# Altium PCB PCB1.PcbDoc (part 3 of 3)
Units mm, origin at the board's own origin, x right, y up, seen from the top; angles counter-clockwise.
Board outline 80 x 100 mm, 4 copper layers (Top Layer, Layer 1, Layer 2, Bottom Layer), stack 1.683 mm thick; 223 components, 229 nets, 969 pads, 380 vias.
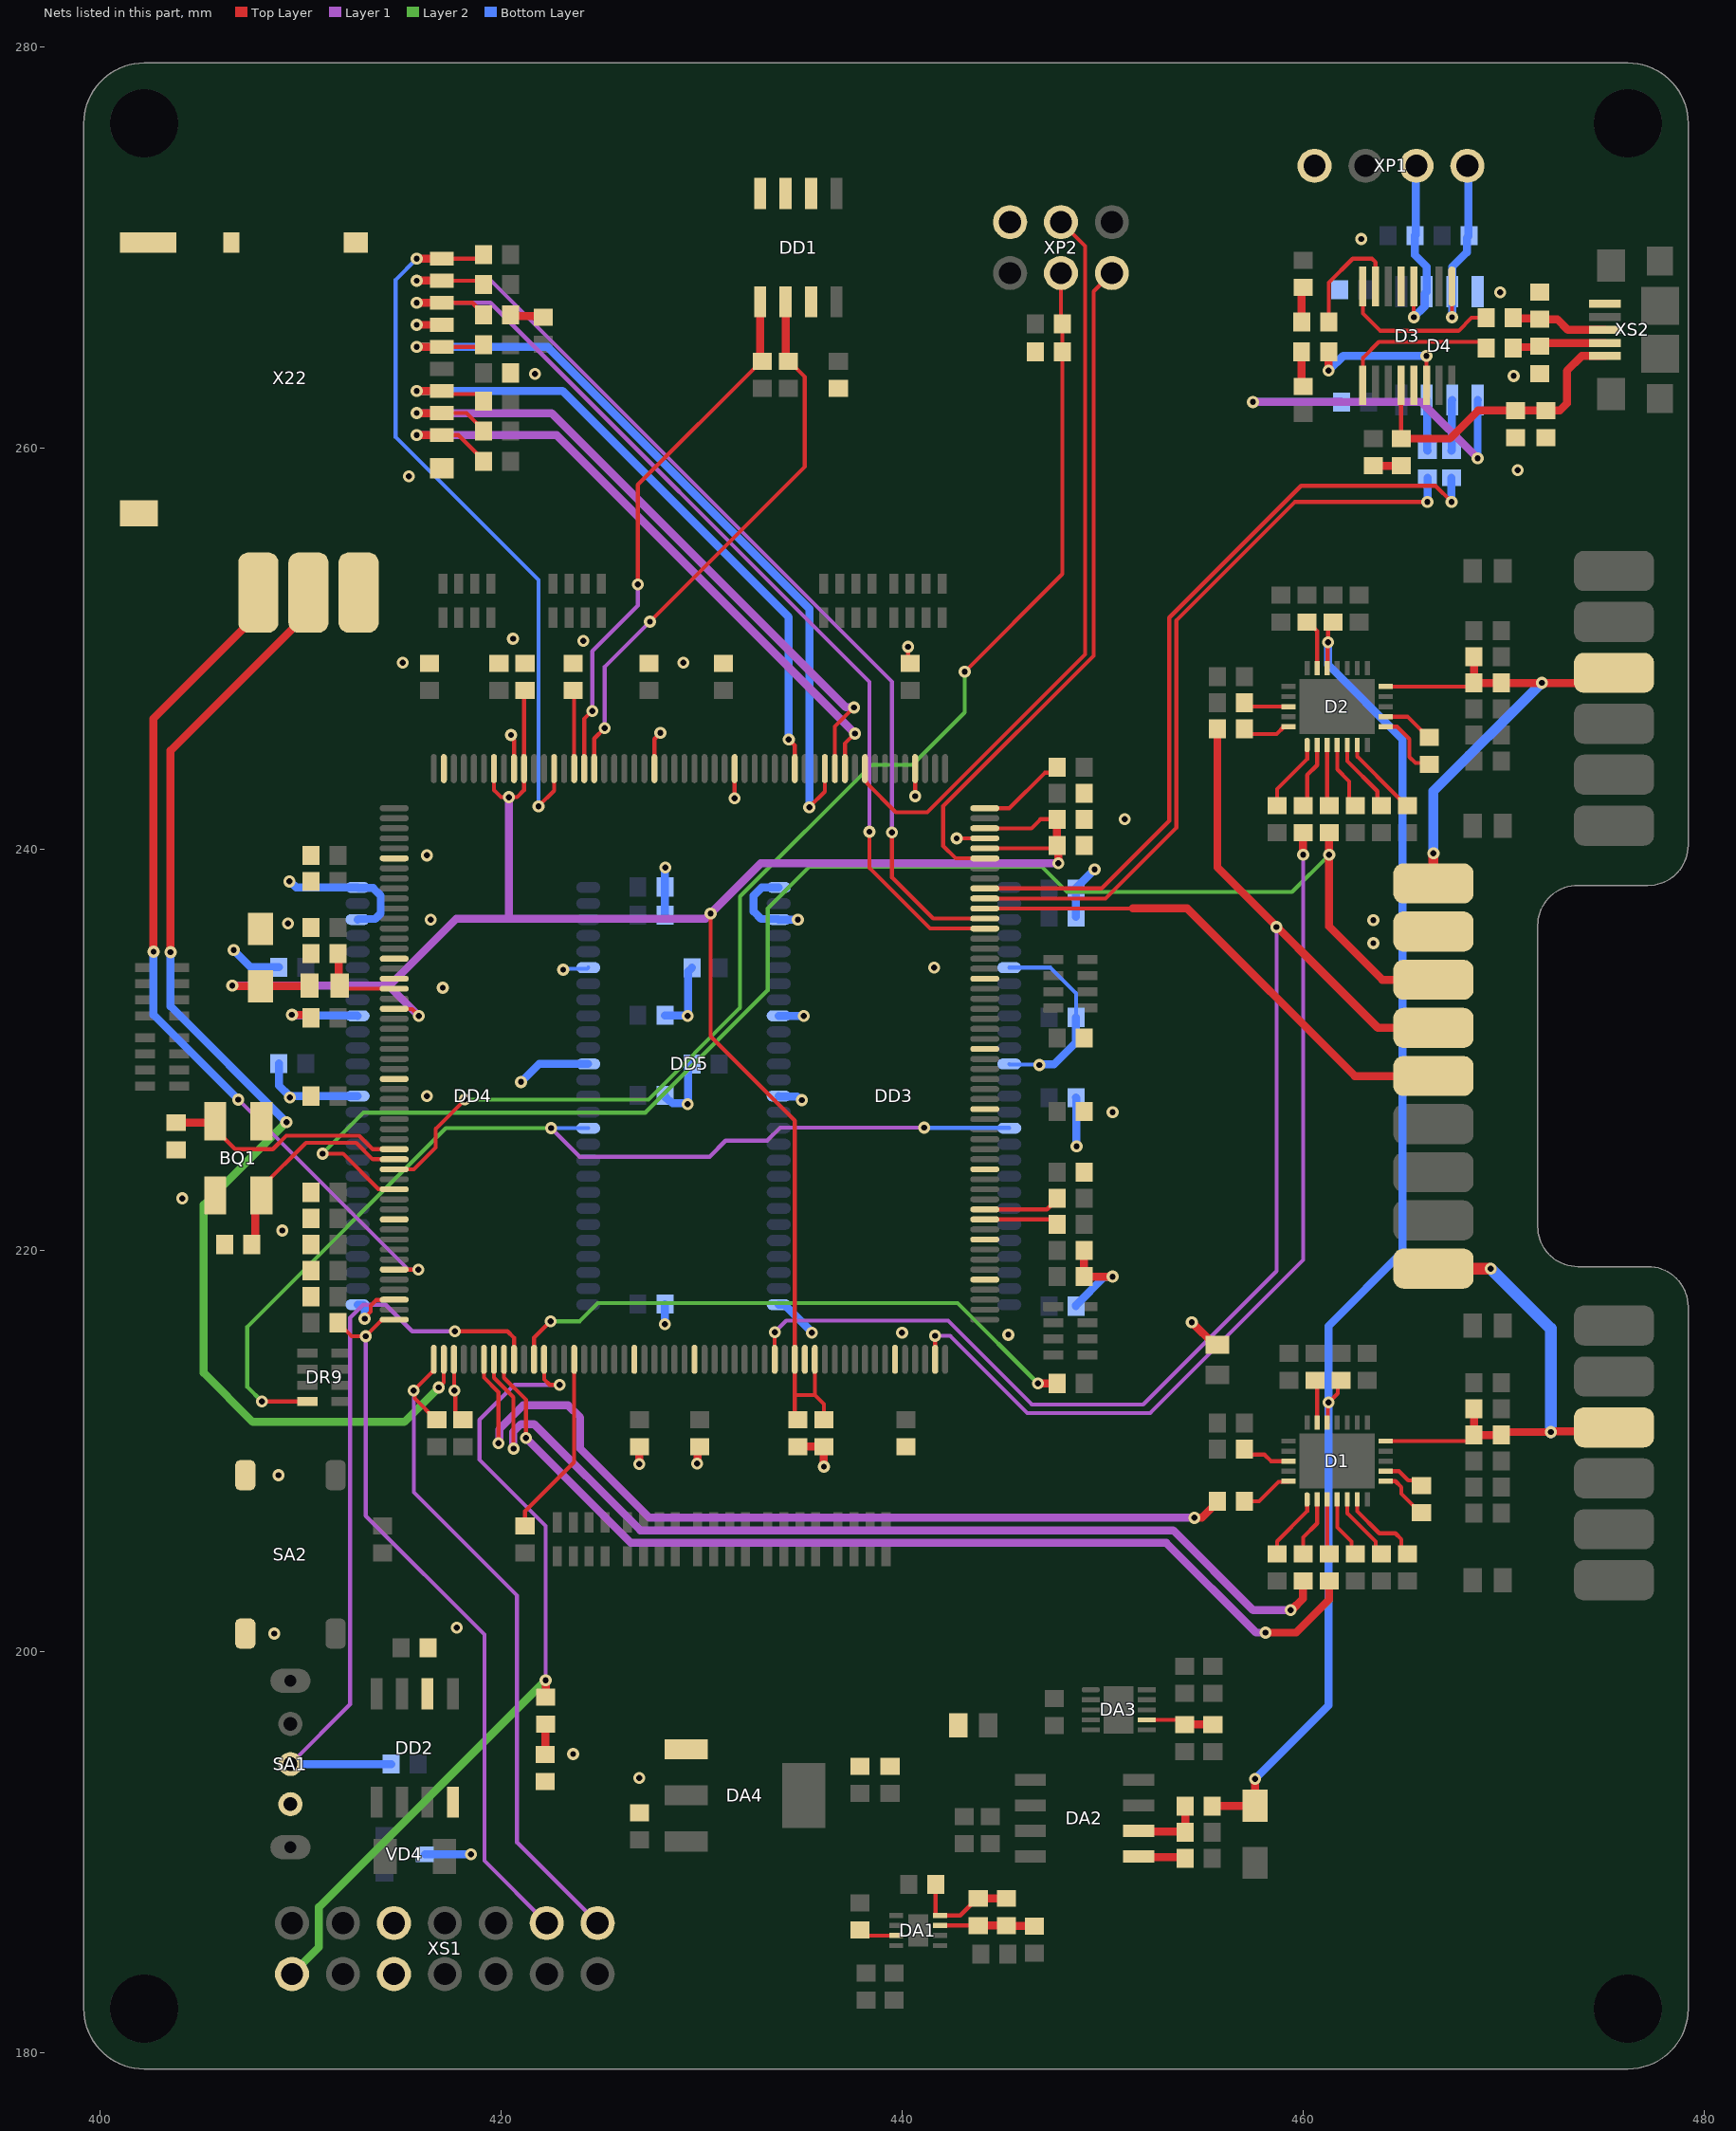
[diagram p5: the nets of this part, all layers, seen from the top]

## Via types
v1: diameter 0.6, hole 0.3, Top Layer to Bottom Layer, tented both sides, 380 vias

## Nets (pads, with @x,y where several pads share a name; then routed paths per layer and width w, separated by ;. In a path a pad name is that pad's centre, name@x,y a point inside that pad or via, vN(x,y) a via of type N, cw(c..) or ccw(c..) an arc to the next point about the centre after c; other vN are vias at no path point) (continued)
FMC_SDNWE: DD3.16 DD4.16 DR9.1 | length 51.5
  Top Layer w0.2: v1(408.075,212.475) DR9.1@410.35,212.475
  Layer 1 w0.2: v1(422.5,226.1) 423.925,224.675 430.4,224.675 431.2,225.475 433.275,225.475 433.925,226.125 v1(441.1,226.125)
  Layer 2 w0.2: v1(408.075,212.475) 407.35,213.2 407.35,216.2 417.25,226.1 v1(422.5,226.1)
  Bottom Layer w0.2: v1(422.5,226.1) DD4.16@424.35,226.1 ; v1(441.1,226.125) 441.112,226.113 445.337,226.113 DD3.16@445.35,226.1
GND: BQ1.2 BQ1.4 C21.2 C27.2 C31.2 C33.2 C35.2 C40.2 C42.2 C44.2 C45.2 C46.2 C47.2 C48.2 C49.2 C50.2 C51.2 C52.2 C53.2 C54.2 C55.2 C56.2 C57.2 C58.2 C59.2 C60.2 C61.2 C62.1 C63.2 C64.1 C65.2 C66.2 C67.1 C68.2 C69.2 C70.1 C71.2 C72.1 C73.2 C74.1 C75.2 C76.2 C77.2 C78.1 C79.2 C80.2 C81.1 C82.2 C83.2 C84.1 C85.2 C86.1 C87.2 C88.2 C89.1 C90.2 C91.2 C92.1 D4.5 DA4.1 DD1.2 DD1.3 DD1.4 DD1.7 DD2.2 DD2.8 DD3.6 DD3.12 DD3.28 DD3.41 DD3.46 DD3.52 DD3.54 DD4.6 DD4.12 DD4.28 DD4.41 DD4.46 DD4.52 DD4.54 DD5.6 DD5.16 DD5.18 DD5.28 DD5.42 DD5.50 DD5.55 DD5.73 DD5.79 DD5.90 DD5.99 DD5.109 DD5.113 DD5.120 DD5.126 DD5.132 DD5.139 DD5.153 DD5.160 DD5.178 DD5.186 DD5.200 DD5.207 L1.2 L2.2 R74.1 SA1.3 SA2.2 VD4.3 VD5.2 X13.1 X22.6 X22.10 X22.11 X25.1 XP2.5 XS1.9 XS1.10 | length 108.6
  Top Layer w0.2: v1(413.2,216.6) 413.2,216.649 413.5,216.949 413.5,217.25 413.781,217.531 414.656,217.531 DD5.50@414.675,217.55 DD5.50@414.694,217.569 ; DD5.55@417.65,214.575 417.662,214.563 417.662,213.037 417.725,212.975 417.725,211.9 418.05,211.575 C83.2@418.1,211.575 ; v1(420.5,245.7) 420.5,245.592 420.65,245.442 DD5.200@420.65,244.025 ; DD5.186@427.65,244.025 427.65,245.5 v1(427.95,245.8) ; v1(431.65,242.55) DD5.178@431.65,244.025 ; v1(440.3,250.1) 440.3,249.387 C74.1@440.412,249.275 ; v1(440.65,242.65) DD5.160@440.65,244.025 ; v1(442.725,240.55) DD5.153@444.125,240.55
  Top Layer w0.4: v1(409.575,231.75) 410.163,231.75 cw(c410.163,231.238) C65.2@410.525,231.6 ; v1(415.8,266.15) X22.6@417.05,266.15 ; v1(426.9,209.35) C80.2@426.9,210.225 ; v1(429.774,209.376) 429.812,209.415 429.812,210.127 C81.1@429.91,210.225 ; C76.2@434.8,210.225 C87.2@436.1,210.225 v1(436.1,209.225) ; C62.1@449.075,220 C77.2@449.075,218.7 v1(450.5,218.7) ; v1(454.45,216.425) 454.455,216.425 455.58,215.3 L2.2@455.725,215.3
  Layer 1 w0.4: v1(457.5,262.3) 465.9,262.3 v1(468.7,259.5)
  Bottom Layer w0.2: v1(423.1,234) 423.15,234.05 424.3,234.05 DD4.6@424.35,234.1 ; DD3.12@445.35,229.3 445.375,229.275 446.825,229.275 v1(446.85,229.25) ; DD3.6@445.35,234.1 447.4,234.1 448.675,232.825 C49.2@448.675,231.625
  Bottom Layer w0.4: v1(406.675,234.975) 407.525,234.125 C58.2@408.925,234.125 ; C57.2@408.925,229.325 408.925,228.229 409.475,227.679 v1(409.475,227.625) 409.529,227.625 409.604,227.7 DD4.41@412.85,227.7 ; v1(409.45,238.4) 409.484,238.4 409.784,238.1 DD4.54@412.85,238.1 412.879,238.071 413.629,238.071 414,237.7 414,236.8 413.729,236.529 412.879,236.529 DD4.52@412.85,236.5 ; v1(409.575,231.75) 409.6,231.725 412.825,231.725 DD4.46@412.85,231.7 ; DD4.28@412.85,217.3 413.131,217.3 413.2,217.231 v1(413.2,216.6) ; VD4.3@416.2,189.9 v1(418.5,189.9) ; v1(421,228.4) 421.9,229.3 DD4.12@424.35,229.3 ; v1(428.175,216.325) C54.2@428.175,217.325 ; C53.2@428.175,227.725 428.175,227.675 428.4,227.45 428.45,227.45 428.562,227.338 429.262,227.338 v1(429.3,227.3) 429.338,227.338 429.338,229.113 C50.2@429.525,229.3 ; C56.2@428.175,231.725 428.188,231.712 429.288,231.712 v1(429.3,231.7) 429.338,231.738 429.338,233.913 C51.2@429.525,234.1 ; C55.2@428.175,236.725 C52.2@428.175,238.125 428.175,239.075 v1(428.2,239.1) ; DD3.28@433.85,217.3 434.138,217.3 435.5,215.938 v1(435.5,215.9) ; DD3.41@433.85,227.7 433.879,227.671 434.775,227.671 434.946,227.5 v1(435,227.5) ; DD3.46@433.85,231.7 v1(435.1,231.7) ; DD3.54@433.85,238.1 433,238.1 432.6,237.7 432.6,236.9 432.971,236.529 433.821,236.529 DD3.52@433.85,236.5 v1(434.8,236.5) ; v1(446.85,229.25) 446.888,229.288 447.588,229.288 448.675,230.375 C49.2@448.675,231.625 ; C47.2@448.675,217.225 448.675,217.275 450.1,218.7 v1(450.5,218.7) ; C46.2@448.675,227.625 448.687,227.613 448.687,225.212 v1(448.7,225.2) ; C48.2@448.675,236.625 C45.2@448.675,238.025 448.675,238.075 v1(449.6,239) ; v1(457.5,262.3) C44.2@461.925,262.3 ; v1(468.7,259.5) 468.702,259.502 468.702,262.397 D4.5@468.705,262.4
  other v1: 426.9,193.7 423.6,194.9 408.7,200.9 417.8,201.2 408.9,208.8 417.675,213.025 445.3,215.8 440,215.9 409.1,221 404.1,222.6 450.5,226.9 416.3,227.7 417.1,233.1 441.6,234.1 463.5,235.325 409.375,236.3 463.5,236.475 416.5,236.5 416.3,239.7 451.1,241.5 415.1,249.3 429.1,249.3 424.1,250.4 420.6,250.5 415.4,258.6 421.7,263.7
GND_EXT: C34.2 C36.2 C37.2 C38.2 C39.2 C41.2 C43.2 D3.5 D3.13 D4.4 XP1.4 XS2.5 | length 1.4
  Top Layer w0.4: C36.2@463.5,259.125 C34.2@464.9,259.125
  other v1: 470.7,258.9 470.5,263.6 469.825,267.775 462.9,270.425
I2C1_SCL: DD1.6 DD5.192 R65.1 | length 28
  Top Layer w0.2: DD5.192@424.65,244.025 424.65,245.525 v1(425.175,246.05) ; v1(427.425,251.35) 435.15,259.075 435.15,263.55 434.375,264.325 R65.1@434.325,264.325
  Top Layer w0.4: DD1.6@434.193,267.3 434.193,264.457 R65.1@434.325,264.325
  Layer 1 w0.2: v1(425.175,246.05) 425.175,249.1 v1(427.425,251.35)
I2C1_SDA: DD1.5 DD5.193 R66.1 | length 27
  Top Layer w0.2: DD5.193@424.15,244.025 424.15,246.5 v1(424.55,246.9) ; v1(426.825,253.2) 426.825,258.175 432.975,264.325 R66.1@433.025,264.325
  Top Layer w0.4: DD1.5@432.923,267.3 432.923,264.427 R66.1@433.025,264.325
  Layer 1 w0.2: v1(424.55,246.9) 424.55,249.875 426.825,252.15 v1(426.825,253.2)
I2C2_SCL: DD5.52 R71.1 XS1.3 | length 36.4
  Top Layer w0.2: R71.1@411.875,216.4 411.875,216.35 412.2,216.025 412.25,216.025 412.55,215.725 v1(413.25,215.725) 414.075,216.55 DD5.52@414.675,216.55
  Layer 1 w0.2: v1(413.25,215.725) 413.25,206.775 419.175,200.85 419.175,189.575 XS1.3@422.28,186.47
I2C2_SDA: DD5.53 R70.1 XS1.1 | length 34.3
  Top Layer w0.2: DD5.53@416.65,214.575 416.65,214.025 v1(415.65,213.025) 415.699,212.976 415.699,212.626 416.75,211.575 R70.1@416.8,211.575
  Layer 1 w0.2: v1(415.65,213.025) 415.65,207.95 420.8,202.8 420.8,190.49 XS1.1@424.82,186.47
IF1: C13.1 D1.12 R23.1 R23.2 X2.1 X20.1 | length 25.2
  Top Layer w0.2: D1.12@464.124,210.5 468.225,210.5 R23.2@468.525,210.8
  Top Layer w0.4: C13.1@468.525,212.1 R23.2@468.525,210.8 R23.1@469.875,210.8 470.025,210.95 v1(472.35,210.95) 472.388,210.988 475.308,210.988 X2.1@475.5,211.18
  Top Layer w0.6: X20.1@466.5,219.1 v1(469.35,219.1)
  Bottom Layer w0.6: v1(469.35,219.1) 472.35,216.1 v1(472.35,210.95)
IF2: C14.1 D2.12 R25.1 R25.2 X8.1 X21.1 | length 25.2
  Top Layer w0.2: D2.12@464.124,248.116 468.341,248.116 R25.2@468.525,248.3
  Top Layer w0.4: C14.1@468.525,249.6 R25.2@468.525,248.3 R25.1@469.875,248.3 475,248.3 X8.1@475.5,248.8
  Top Layer w0.5: X21.1@466.5,238.3 v1(466.5,239.8)
  Bottom Layer w0.5: v1(466.5,239.8) 466.5,242.9 v1(471.9,248.3)
LED: DD5.64 R51.2 XS1.14 | length 41.7
  Top Layer w0.2: DD5.64@422.15,214.575 422.15,213.575 422.425,213.3 v1(422.925,213.3)
  Top Layer w0.4: v1(422.225,198.575) 422.229,198.571 R51.2@422.229,197.729
  Layer 1 w0.2: v1(422.225,198.575) 422.225,206.275 418.925,209.575 418.925,211.55 420.675,213.3 v1(422.925,213.3)
  Layer 2 w0.4: XS1.14@409.58,183.93 410.92,185.27 410.92,187.27 v1(422.225,198.575)
MCO_1_REF: DD5.146 X16.1 | length 25.8
  Top Layer w0.2: DD5.146@444.125,237.05 451.5,237.05
  Top Layer w0.4: 451.5,237.05 454.225,237.05 462.575,228.7 X16.1@466.5,228.7
NetC5_1: C5.1 D1.8 | length 2.6
  Top Layer w0.2: D1.8@464.124,208.5 464.6,208.5 464.9,208.2 464.9,207.875 465.85,206.925 C5.1@465.9,206.925
NetC5_2: C5.2 D1.9 | length 2.1
  Top Layer w0.2: D1.9@464.124,209 464.778,209 465.242,208.536 465.639,208.536 C5.2@465.9,208.275
NetC6_1: C6.1 D2.8 | length 3.5
  Top Layer w0.2: D2.8@464.124,246.116 464.684,246.116 465.3,245.5 465.3,244.6 465.6,244.3 466.225,244.3 C6.1@466.3,244.225
NetC6_2: C6.2 D2.9 | length 2.6
  Top Layer w0.2: D2.9@464.124,246.616 465.209,246.616 466.25,245.575 C6.2@466.3,245.575
NetC9_1: C9.1 D1.22 | length 2.4
  Top Layer w0.2: C9.1@457.075,210.1 457.347,209.828 458.072,209.828 458.4,209.5 D1.22@459.276,209.5
NetC10_1: C10.1 D2.22 | length 2.3
  Top Layer w0.2: C10.1@457.075,247.3 457.259,247.116 D2.22@459.276,247.116
NetC17_1: C17.1 DA1.7 | length 1.9
  Top Layer w0.2: C17.1@437.9,186.125 438.175,185.85 DA1.7@439.71,185.85
NetC22_1: C22.1 DA2.5 | length 2.4
  Top Layer w0.4: DA2.5@451.8,189.795 451.848,189.747 454.078,189.747 C22.1@454.125,189.7
NetC23_1: C23.1 DA1.4 R27.1 R28.1 | length 5.4
  Top Layer w0.2: R28.1@441.675,188.4 441.675,186.875 441.7,186.85 DA1.4@441.89,186.85 442.9,186.85 443.75,187.7 C23.1@443.8,187.7
  Top Layer w0.4: C23.1@443.8,187.7 R27.1@445.2,187.7
NetC23_2: C23.2 C26.1 DA1.3 R27.2 | length 4.7
  Top Layer w0.2: DA1.3@441.89,186.35 C23.2@443.8,186.35
  Top Layer w0.4: C23.2@443.8,186.35 R27.2@445.2,186.35 445.212,186.337 446.587,186.337 C26.1@446.6,186.325
NetC24_1: C24.1 DA2.6 R29.1 | length 3.7
  Top Layer w0.4: DA2.6@451.8,191.065 451.833,191.032 454.093,191.032 C24.1@454.125,191 R29.1@454.125,192.3
NetC25_1: C25.1 DA3.7 R30.2 | length 3.4
  Top Layer w0.2: DA3.7@452.195,196.6 453.875,196.6 C25.1@454.1,196.375
  Top Layer w0.4: C25.1@454.1,196.375 R30.2@455.5,196.375
NetC75_1: C75.1 DD5.19 L7.1 | length 4.4
  Top Layer w0.2: L7.1@411.95,233.2 412.1,233.05 DD5.19@414.675,233.05
  Top Layer w0.4: C75.1@411.875,234.8 411.913,234.763 411.913,233.238 L7.1@411.95,233.2
NetD1_1: D1.1 R1.2 | length 3.3
  Top Layer w0.2: R1.2@458.7,204.875 458.7,205.5 460.2,207 D1.1@460.2,207.584
NetD1_2: D1.2 R11.2 | length 3
  Top Layer w0.2: R11.2@460,204.875 460,205.7 460.7,206.4 D1.2@460.7,207.584
NetD1_3: D1.3 R2.2 | length 2.8
  Top Layer w0.2: D1.3@461.2,207.584 461.2,204.975 R2.2@461.3,204.875
NetD1_4: D1.4 R12.2 | length 3.1
  Top Layer w0.2: D1.4@461.7,207.584 461.7,206.2 462.417,205.483 462.417,205.058 R12.2@462.6,204.875
NetD1_5: D1.5 R5.2 | length 3.4
  Top Layer w0.2: D1.5@462.2,207.584 462.2,206.9 463.617,205.483 463.617,205.158 R5.2@463.9,204.875
NetD1_6: D1.6 R14.2 | length 4.2
  Top Layer w0.2: D1.6@462.7,207.584 462.7,207 463.8,205.9 464.6,205.9 464.9,205.6 464.9,205.175 R14.2@465.2,204.875
NetD1_18: D1.18 R13.2 | length 2.2
  Top Layer w0.2: R13.2@460.6,213.525 460.7,213.425 D1.18@460.7,211.416
NetD1_24: D1.24 R3.2 | length 2.6
  Top Layer w0.2: R3.2@457.075,207.5 457.8,207.5 458.773,208.473 459.248,208.473 D1.24@459.276,208.5
NetD2_1: D2.1 R6.2 | length 3.6
  Top Layer w0.2: R6.2@458.7,242.175 458.7,243 460.2,244.5 D2.1@460.2,245.2
NetD2_2: D2.2 R15.2 | length 3.3
  Top Layer w0.2: R15.2@460,242.175 460.2,242.375 460.2,243.7 460.7,244.2 D2.2@460.7,245.2
NetD2_3: D2.3 R7.2 | length 3.1
  Top Layer w0.2: D2.3@461.2,245.2 461.2,242.275 R7.2@461.3,242.175
NetD2_4: D2.4 R16.2 | length 3.4
  Top Layer w0.2: D2.4@461.7,245.2 461.7,243.985 462.3,243.385 462.3,242.475 R16.2@462.6,242.175
NetD2_5: D2.5 R10.2 | length 3.7
  Top Layer w0.2: D2.5@462.2,245.2 462.2,244.4 463.7,242.9 463.7,242.375 R10.2@463.9,242.175
NetD2_6: D2.6 R18.2 | length 4.1
  Top Layer w0.2: D2.6@462.7,245.2 462.7,244.629 464.625,242.704 464.625,242.7 465.15,242.175 R18.2@465.2,242.175
NetD2_18: D2.18 R17.2 | length 2.5
  Top Layer w0.2: R17.2@460.2,251.325 460.25,251.325 460.7,250.875 D2.18@460.7,249.032
NetD2_24: D2.24 R8.2 | length 2.5
  Top Layer w0.2: R8.2@457.075,246 457.325,245.75 458.683,245.75 459.049,246.116 D2.24@459.276,246.116
NetD3_8: D3.8 R38.2 | length 8.1
  Top Layer w0.2: D3.8@462.977,268.064 462.977,266.723 463.85,265.85 467.75,265.85 468.4,266.5 R38.2@469.125,266.5
NetD3_9: D3.9 R34.2 | length 8
  Top Layer w0.2: D3.9@462.977,263.136 462.977,264.502 463.775,265.3 468.825,265.3 R34.2@469.125,265
NetD4_6: D4.6 R49.1 | length 2.5
  Bottom Layer w0.4: R49.1@467.4,259.875 467.418,259.892 467.418,262.382 D4.6@467.435,262.4
NetD4_7: D4.7 R46.1 | length 2.5
  Bottom Layer w0.4: D4.7@466.165,262.4 466.182,262.382 466.182,259.892 R46.1@466.2,259.875
NetDD5_63: DD5.63 R67.2 | length 29.5
  Top Layer w0.2: DD5.63@421.65,214.575 421.65,215.65 v1(422.475,216.475)
  Top Layer w0.4: v1(446.775,213.375) v1(446.775,213.375) 447.724,213.376 R67.2@447.725,213.375
  Layer 2 w0.2: v1(422.475,216.475) 423.925,216.475 424.825,217.375 442.775,217.375 v1(446.775,213.375)
NetDD5_67: DD5.67 R72.2 | length 9.3
  Top Layer w0.2: R72.2@421.2,206.275 421.2,207 423.65,209.45 DD5.67@423.65,214.575
NetDD5_115: DD5.115 R68.2 | length 3.7
  Top Layer w0.2: DD5.115@444.125,221.55 447.475,221.55 R68.2@447.725,221.3
NetDD5_116: DD5.116 R69.2 | length 3.9
  Top Layer w0.2: DD5.116@444.125,222.05 447.225,222.05 447.725,222.55 R69.2@447.725,222.6
NetDD5_156: DD5.156 R73.2 | length 4.4
  Top Layer w0.2: DD5.156@444.125,242.05 445.35,242.05 447.117,243.817 447.442,243.817 R73.2@447.725,244.1
NetDD5_194: DD5.194 R74.2 | length 3.9
  Top Layer w0.2: R74.2@423.6,247.925 423.65,247.875 DD5.194@423.65,244.025
NetR32_2: R32.2 VD1.1 | length 1.7
  Top Layer w0.4: VD1.1@459.925,266.3 459.925,267.844 cw(c460.181,267.844) R32.2@460,268.025
NetR33_2: R33.2 VD2.1 | length 1.8
  Top Layer w0.4: VD2.1@459.917,264.804 VD2.1@459.921,264.808 459.921,263.266 ccw(c460.191,263.266) R33.2@460,263.075
NetR36_1: R36.1 VD3.1 | length 1.7
  Top Layer w0.4: VD3.1@420.475,266.65 420.537,266.588 422.037,266.588 R36.1@422.1,266.525
NetR51_1: R51.1 VD5.1 | length 1.5
  Top Layer w0.4: VD5.1@422.2,194.875 422.214,194.89 422.214,196.364 R51.1@422.229,196.379
NRST: C42.1 DD5.37 R45.2 XP2.4 | length 65.6
  Top Layer w0.2: DD5.37@414.675,224.05 415.65,224.05 416.738,225.138 416.738,226.063 v1(418.202,227.527) ; v1(443.125,248.85) 448,253.725 C42.1@448,264.8 R45.2@448,266.2 447.925,266.275 XP2.4@447.925,268.73
  Layer 2 w0.2: v1(418.202,227.527) 427.352,227.527 431.925,232.1 431.925,237.65 438.487,244.213 440.513,244.213 443.125,246.825 v1(443.125,248.85)
RCC_OSC_IN: BQ1.1 C59.1 DD5.35 | length 11.9
  Top Layer w0.2: BQ1.1@405.75,226.05 406.75,225.05 408.625,225.05 409.3,225.725 412.925,225.725 413.6,225.05 DD5.35@414.675,225.05
  Top Layer w0.4: C59.1@403.8,226.375 405.675,226.375 BQ1.1@405.75,226.45
RCC_OSC_OUT: BQ1.3 C60.1 DD5.36 | length 10.9
  Top Layer w0.2: BQ1.3@408.05,222.75 408.05,223.15 410.275,225.375 412.78,225.375 413.605,224.55 DD5.36@414.675,224.55
  Top Layer w0.4: C60.1@407.575,220.3 407.754,220.479 407.754,222.454 BQ1.3@408.05,222.75
RX_LED: D3.7 VD1.2 | length 6.1
  Top Layer w0.2: VD1.2@461.275,266.3 461.275,268.25 462.475,269.45 463.425,269.45 463.612,269.262 D3.7@463.612,268.064
SDIO_CD: DD5.196 R42.1 X22.9 | length 36.3
  Top Layer w0.2: X22.9@417.05,269.45 418.925,269.45 R42.1@419.125,269.65 ; v1(421.875,242.15) 422.65,242.925 DD5.196@422.65,244.025
  Top Layer w0.4: v1(415.8,269.45) X22.9@417.05,269.45
  Bottom Layer w0.2: v1(415.8,269.45) 414.75,268.4 414.75,260.55 421.875,253.425 v1(421.875,242.15)
SDIO_CK: DD5.169 R40.1 X22.5 | length 40.5
  Top Layer w0.2: X22.5@417.05,265.05 419.025,265.05 R40.1@419.125,265.15 ; v1(435.375,242.1) 436.15,242.875 DD5.169@436.15,244.025
  Top Layer w0.4: v1(415.8,265.05) X22.5@417.05,265.05
  Bottom Layer w0.4: v1(415.8,265.05) 422.325,265.05 435.375,252 v1(435.375,242.1)
SDIO_CMD: DD5.172 R39.1 X22.3 | length 34.4
  Top Layer w0.2: X22.3@417.05,262.85 417.2,262.7 418.8,262.7 419.125,262.375 R39.1@419.125,262.35 ; v1(434.35,245.475) 434.65,245.175 DD5.172@434.65,244.025
  Top Layer w0.4: v1(415.8,262.85) X22.3@417.05,262.85
  Bottom Layer w0.4: v1(415.8,262.85) 423.075,262.85 434.35,251.575 v1(434.35,245.475)
SDIO_D0: DD5.144 VD3.2 X22.7 | length 50.3
  Top Layer w0.2: X22.7@417.05,267.25 418.575,267.25 419.125,266.7 VD3.2@419.125,266.65 ; v1(438.375,240.875) 438.375,239.075 441.4,236.05 DD5.144@444.125,236.05
  Top Layer w0.4: v1(415.8,267.25) X22.7@417.05,267.25
  Layer 1 w0.2: v1(415.8,267.25) 419.475,267.25 438.375,248.35 v1(438.375,240.875)
SDIO_D1: DD5.145 R41.1 X22.8 | length 50.6
  Top Layer w0.2: X22.8@417.05,268.35 418.925,268.35 R41.1@419.125,268.15 ; v1(439.5,240.85) 439.5,238.6 441.55,236.55 DD5.145@444.125,236.55
  Top Layer w0.4: v1(415.8,268.35) X22.8@417.05,268.35
  Layer 1 w0.2: v1(415.8,268.35) 419.5,268.35 439.5,248.35 v1(439.5,240.85)
SDIO_D2: DD5.167 R35.1 X22.1 | length 33.9
  Top Layer w0.2: X22.1@417.05,260.65 417.875,260.65 419.125,259.4 R35.1@419.125,259.35 ; DD5.167@437.15,244.025 437.15,245.275 v1(437.65,245.775)
  Top Layer w0.4: v1(415.8,260.65) X22.1@417.05,260.65
  Layer 1 w0.4: v1(415.8,260.65) 422.775,260.65 v1(437.65,245.775)
SDIO_D3: DD5.168 R37.1 X22.2 | length 35
  Top Layer w0.2: X22.2@417.05,261.75 418.275,261.75 419.125,260.9 R37.1@419.125,260.85 ; DD5.168@436.65,244.025 436.65,246.125 v1(437.6,247.075)
  Top Layer w0.4: v1(415.8,261.75) X22.2@417.05,261.75
  Layer 1 w0.4: v1(415.8,261.75) 422.525,261.75 437.2,247.075 v1(437.6,247.075)
SPI1_MISO: DD5.59 R11.1 | length 50.2
  Top Layer w0.2: DD5.59@419.65,214.575 419.65,213.66 420.625,212.685 v1(420.625,210.125)
  Top Layer w0.4: v1(459.375,202.075) 459.425,202.075 460,202.65 R11.1@460,203.525
  Layer 1 w0.4: v1(420.625,210.125) 420.6,210.15 420.6,210.95 421,211.35 421.65,211.35 426.95,206.05 453.525,206.05 457.5,202.075 v1(459.375,202.075)
SPI1_MOSI: DD5.60 R2.1 | length 50.1
  Top Layer w0.2: DD5.60@420.15,214.575 420.15,213.655 421.25,212.555 v1(421.25,210.65)
  Top Layer w0.4: v1(458.125,200.95) 459.65,200.95 461.3,202.6 R2.1@461.3,203.525
  Layer 1 w0.4: v1(421.25,210.65) 426.475,205.425 453.175,205.425 457.65,200.95 v1(458.125,200.95)
SPI1_SCK: DD5.58 R3.1 | length 45.1
  Top Layer w0.2: DD5.58@419.15,214.575 419.15,213.665 419.875,212.94 v1(419.875,210.4)
  Top Layer w0.4: v1(454.575,206.675) 454.95,206.675 455.725,207.45 R3.1@455.725,207.5
  Layer 1 w0.4: v1(419.875,210.4) 419.913,210.438 419.913,211.088 421.1,212.275 423.35,212.275 423.95,211.675 423.95,210.125 427.4,206.675 v1(454.575,206.675)
SPI2_MISO: DD5.103 R15.1 | length 45.6
  Top Layer w0.2: DD5.103@441.65,214.575 v1(441.65,215.75)
  Top Layer w0.4: v1(460,239.725) R15.1@460,240.825
  Layer 1 w0.2: v1(441.65,215.75) 442.4,215.75 446.25,211.9 452.375,211.9 460,219.525 v1(460,239.725)
SPI2_MOSI: DD5.39 R7.1 X15.1 | length 75.1
  Top Layer w0.2: v1(411.1,224.825) 412.125,224.825 413.882,223.068 414.657,223.068 DD5.39@414.675,223.05
  Top Layer w0.4: R7.1@461.3,240.825 v1(461.3,239.725) 461.3,236.15 463.95,233.5 X15.1@466.5,233.5
  Layer 2 w0.2: v1(411.1,224.825) 413.15,226.875 427.2,226.875 433.3,232.975 433.3,237.05 435.375,239.125 446.975,239.125 448.225,237.875 459.45,237.875 v1(461.3,239.725)
SPI2_SCK: DD5.87 R8.1 X14.1 | length 69.2
  Top Layer w0.2: DD5.87@433.65,214.575 v1(433.65,215.925)
  Top Layer w0.4: R8.1@455.725,246 455.725,239.1 463.725,231.1 X14.1@466.5,231.1
  Layer 1 w0.2: v1(433.65,215.925) 434.225,216.5 442.3,216.5 446.475,212.325 452.025,212.325 458.675,218.975 v1(458.675,236.125)
SWCLK: DD5.165 XP2.3 | length 37.6
  Top Layer w0.2: DD5.165@438.15,244.025 438.15,243.423 438.25,243.323 438.25,243.284 439.684,241.85 441.255,241.85 449.125,249.72 449.125,270.07 XP2.3@447.925,271.27
SWDIO: DD5.151 XP2.2 | length 34.4
  Top Layer w0.2: DD5.151@444.125,239.55 442.675,239.55 442.05,240.175 442.05,242.15 449.55,249.65 449.55,267.815 XP2.2@450.465,268.73
TX_LED: D3.14 VD2.2 | length 7.6
  Top Layer w0.2: v1(466.15,264.6) 466.152,264.597 D3.14@466.152,263.136
  Top Layer w0.4: VD2.2@461.271,264.808 461.271,263.879 v1(461.275,263.875)
  Bottom Layer w0.4: v1(461.275,263.875) 462,264.6 v1(466.15,264.6)
U1_RX_ISO: D3.1 D4.3 R43.1 XP1.1 | length 9.4
  Top Layer w0.2: D3.1@467.422,268.064 467.422,266.528 v1(467.425,266.525)
  Bottom Layer w0.4: v1(467.425,266.525) 467.43,266.53 467.43,267.795 D4.3@467.435,267.8 467.435,269.035 468.163,269.763 468.163,270.488 468.233,270.557 468.233,274.032 XP1.1@468.19,274.075
U1_TX_ISO: D3.4 D4.2 R44.1 XP1.2 | length 9.6
  Top Layer w0.2: D3.4@465.517,268.064 465.517,266.528 v1(465.52,266.525)
  Bottom Layer w0.4: v1(465.52,266.525) 466.065,267.07 466.065,267.7 D4.2@466.165,267.8 466.165,269.035 465.575,269.625 R44.1@465.575,270.6 465.613,270.637 465.613,274.037 XP1.2@465.65,274.075
USART1_RX: DD5.148 R49.2 | length 39.1
  Top Layer w0.2: DD5.148@444.125,238.05 449.95,238.05 453.325,241.425 453.325,251.55 459.9,258.125 466.6,258.125 v1(467.4,257.325)
  Bottom Layer w0.4: v1(467.4,257.325) R49.2@467.4,258.525
USART1_TX: DD5.147 R46.2 | length 37.5
  Top Layer w0.2: DD5.147@444.125,237.55 450.15,237.55 453.675,241.075 453.675,251.405 459.595,257.325 v1(466.2,257.325)
  Bottom Layer w0.4: v1(466.2,257.325) R46.2@466.2,258.525
USART2_RX: DD5.54 X24.1 | length 60.8
  Top Layer w0.2: v1(416.9,213.175) 417.15,213.425 DD5.54@417.15,214.575
  Top Layer w0.4: v1(403.523,234.872) 403.523,244.923 410.4,251.8 X24.1@410.4,252.8
  Layer 2 w0.4: v1(409.3,226.4) 405.175,222.275 405.175,213.9 407.625,211.45 415.175,211.45 v1(416.9,213.175)
  Bottom Layer w0.4: v1(403.523,234.872) 403.523,232.177 v1(409.3,226.4)
USART2_TX: DD5.47 X23.1 | length 42.9
  Top Layer w0.2: DD5.47@414.675,219.05 v1(415.875,219.05)
  Top Layer w0.4: v1(402.675,234.9) 402.675,246.525 407.9,251.75 X23.1@407.9,252.8
  Layer 1 w0.2: v1(406.9,227.525) 415.375,219.05 v1(415.875,219.05)
  Bottom Layer w0.4: v1(402.675,234.9) 402.675,231.75 v1(406.9,227.525)
USBDM: C41.1 R34.1 XS2.2 | length 4.7
  Top Layer w0.4: R34.1@470.475,265 470.512,265.037 471.762,265.037 C41.1@471.8,265.075 471.975,265.25 XS2.2@475.05,265.25
USBDP: C43.1 R38.1 XS2.3 | length 4.8
  Top Layer w0.4: R38.1@470.475,266.5 470.512,266.462 471.762,266.462 C43.1@471.8,266.425 472.675,266.425 473.2,265.9 XS2.3@475.05,265.9
V_SMPS: C68.1 C76.1 C79.1 C82.1 C87.1 C90.1 DD5.21 DD5.89 DD5.91 DD5.152 DD5.154 DD5.199 DD5.202 L7.2 | length 105.8
  Top Layer w0.2: DD5.21@414.675,232.05 414.694,232.031 415.569,232.031 v1(415.9,231.7) ; DD5.202@419.65,244.025 419.65,242.95 420,242.6 v1(420.4,242.6) 420.8,242.6 421.15,242.95 DD5.199@421.15,244.025 421.15,247.875 C82.1@421.2,247.925 ; v1(430.45,236.8) 430.45,230.675 434.65,226.475 DD5.89@434.65,214.575 434.65,212.8 ; C76.1@434.8,211.575 434.65,211.725 434.65,212.8 ; DD5.91@435.65,214.575 435.65,212.8 ; C87.1@436.1,211.575 436.1,212.35 435.65,212.8 ; DD5.152@444.125,240.05 447.575,240.05 C79.1@447.725,240.2 ; DD5.154@444.125,241.05 446.45,241.05 446.9,241.5 C90.1@447.725,241.5 ; 434.65,212.8 435.65,212.8
  Top Layer w0.4: v1(406.6,233.2) 406.625,233.175 C68.1@408,233.175 410.425,233.175 L7.2@410.45,233.2 ; C90.1@447.725,241.5 C79.1@447.725,240.2 447.8,240.125 v1(447.8,239.3)
  Layer 1 w0.4: v1(406.6,233.2) 414.425,233.2 417.775,236.55 420.314,236.55 ; 414.4,233.2 v1(415.9,231.7) ; v1(420.4,242.6) 420.4,236.55 430.2,236.55 v1(430.45,236.8) 432.95,239.3 v1(447.8,239.3)
VCC_5V_USB: C34.1 C38.1 C39.1 D3.12 XS2.1 | length 15.5
  Top Layer w0.2: D3.12@464.882,263.136 464.882,260.493 C34.1@464.9,260.475
  Top Layer w0.4: C34.1@464.9,260.475 467.325,260.475 468.725,261.875 470.3,261.875 471.8,261.875 472.8,261.875 473.15,262.225 473.15,263.85 473.9,264.6 XS2.1@475.05,264.6
VREF_P: C7.1 C8.1 C29.1 D1.17 D2.17 R29.2 | length 69.5
  Top Layer w0.2: D1.17@461.2,211.416 461.227,211.443 461.227,212.377 v1(461.275,212.425) 461.725,212.875 461.725,213.35 C7.1@461.9,213.525 ; D2.17@461.2,249.032 461.225,249.057 461.225,250.3 v1(461.25,250.325) 461.25,251.075 C8.1@461.5,251.325
  Top Layer w0.4: R29.2@455.475,192.3 457.575,192.3 C29.1@457.6,192.325 v1(457.6,193.65)
  Bottom Layer w0.4: v1(457.6,193.65) 461.275,197.325 v1(461.275,212.425) 461.275,216.244 464.95,219.919 464.95,245.5 461.25,249.2 v1(461.25,250.325)
W_MODE: DD5.61 R31.2 SA1.2 | length 38.7
  Top Layer w0.2: v1(417.7,215.975) 420.325,215.975 420.65,215.65 DD5.61@420.65,214.575
  Layer 1 w0.2: SA1.2@409.5,194.4 412.475,197.375 412.475,216.653 413.122,217.3 414.25,217.3 415.575,215.975 v1(417.7,215.975)
  Bottom Layer w0.4: SA1.2@409.5,194.4 R31.2@414.525,194.4
pads on no net: D1.25 D2.25 D3.2 D3.6 D3.15 D3.16 DA1.9 DA2.1 DA2.3 DA2.7 DA2.8 DA3.4 DD1.1 DD3.36 DD3.40 DD4.36 DD4.40 DD5.1 DD5.2 DD5.3 DD5.4 DD5.5 DD5.9 DD5.10 DD5.11 DD5.12 DD5.15 DD5.30 DD5.31 DD5.32 DD5.33 DD5.34 DD5.45 DD5.46 DD5.48 DD5.51 DD5.65 DD5.66 DD5.88 DD5.92 DD5.93 DD5.111 DD5.112 DD5.117 DD5.118 DD5.121 DD5.122 DD5.123 DD5.127 DD5.128 DD5.129 DD5.130 DD5.131 DD5.140 DD5.141 DD5.173 DD5.174 DD5.175 DD5.176 DD5.177 DD5.180 DD5.181 DD5.182 DD5.183 DD5.184 DD5.185 DD5.189 DD5.190 DD5.191 DD5.195 DR1.4 DR1.5 DR4.2 DR4.7 DR9.4 DR9.5 DR13.2 DR13.7 SA1.0 SA1.1 XP2.6 XS2.0 XS2.4

## Polygon pours and split planes (outlines as drawn)
3v3 on Layer 1 "3V3_L02_P023" (solid, remove dead copper, pour order 23): 402.2,279.2 399.2,276.2 399.2,182.2 402.2,179.2 434.2,179.2 434.2,186.9 441.7,194.4 443.1,194.4 443.7,195 443.7,197.5 453.1,206.9 453.1,210.4 461.901,219.2 464.8,219.2 464.8,237.3 456.3,237.3 454,239.6 454,251.1 458.9,256 458.9,279.2
3v3_EXT on Layer 1 "3V3_EXT_L02_P022" (solid, pour order 22): 458.9,279.2 458.9,256 479.2,256 479.2,276.66 ccw(c476.66,276.66) 476.66,279.2 470.3,279.2
AGND on Layer 1 "AGND_L02_P009" (solid, remove dead copper, pour order 9): 479.2,256 458.9,256 454,251.1 454,239.6 456.3,237.3 472.2,237.3 473.1,238.2 478,238.2 479.2,239.4
AGND on Layer 1 "AGND_L02_P005" (solid, remove dead copper, pour order 5): 434.2,179.2 434.2,186.9 441.7,194.4 443.1,194.4 443.7,195 443.7,197.5 453.1,206.9 453.1,210.4 461.9,219.2 478.1,219.2 479.2,218.1 479.2,182.2 cw(c476.25,182.15) 476.3,179.2
GND on Layer 2 "GND_L03_P024" (solid, remove dead copper, pour order 24): 402.2,279.2 399.2,276.2 399.2,182.2 402.2,179.2 434.2,179.2 434.2,186.9 441.7,194.4 443.1,194.4 443.7,195 443.7,197.5 453.1,206.9 453.1,210.4 461.901,219.2 464.1,219.2 464.1,237.3 456.3,237.3 454,239.6 454,251.1 458.9,256 458.9,279.2
GND_EXT on Layer 2 "GND_EXT_L03_P020" (solid, pour order 20): 458.9,279.2 458.9,256 479.2,256 479.2,276.66 ccw(c476.66,276.66) 476.66,279.2 470.3,279.2
AGND on Layer 2 "AGND_L03_P010" (solid, pour order 10): 479.2,256 458.9,256 454,251.1 454,239.6 456.3,237.3 472.2,237.3 473.1,238.2 478,238.2 479.2,239.4
AGND on Layer 2 "AGND_L03_P002" (solid, pour order 2): 434.2,179.2 434.2,186.9 441.7,194.4 443.1,194.4 443.7,195 443.7,197.5 453.1,206.9 453.1,210.4 461.9,219.2 478.1,219.2 479.2,218.1 479.2,182.2 cw(c476.25,182.15) 476.3,179.2
AGND on Bottom Layer "AGND_L04_P001" (solid, remove dead copper, pour order 1): 434.2,179.2 434.2,186.9 441.7,194.4 443.1,194.4 443.7,195 443.7,197.5 453.1,206.9 453.1,210.4 461.9,219.2 478.1,219.2 479.2,218.1 479.2,182.2 cw(c476.25,182.15) 476.3,179.2
3v3 on Bottom Layer "3V3_L04_P021" (solid, remove dead copper, pour order 21): 402.2,279.2 399.2,276.2 399.2,182.2 402.2,179.2 434.2,179.2 434.2,186.9 441.7,194.4 443.1,194.4 443.7,195 443.7,197.5 453.1,206.9 453.1,210.4 461.901,219.2 466.6,219.2 466.6,237.3 456.3,237.3 454,239.6 454,251.1 458.9,256 458.9,279.2
GND_EXT on Bottom Layer "GND_EXT_L04_P019" (solid, pour order 19): 458.9,279.2 458.9,256 479.2,256 479.2,276.66 ccw(c476.66,276.66) 476.66,279.2 470.3,279.2
AGND on Bottom Layer "AGND_L04_P025" (solid, pour order 25): 466.5,239.7 466.5,218.9 473.7,218.9 471.727,220.873 471.7,239.7
AGND on Bottom Layer "AGND_L04_P011" (solid, pour order 11): 479.2,256 458.9,256 454,251.1 454,239.6 456.3,237.3 472.2,237.3 473.1,238.2 478,238.2 479.2,239.4
GND on Top Layer "GND_L01_P018" (solid, remove dead copper, pour order 18): 402.2,279.2 399.2,276.2 399.2,182.2 402.2,179.2 434.2,179.2 434.2,186.9 441.7,194.4 443.1,194.4 443.7,195 443.7,197.5 453.1,206.9 453.1,210.4 461.901,219.2 466.6,219.2 466.6,237.3 456.3,237.3 454,239.6 454,251.1 458.9,256 458.9,279.2
AGND on Top Layer "AGND_L01_P006" (solid, remove dead copper, pour order 6): 434.2,179.2 434.2,186.9 441.7,194.4 443.1,194.4 443.7,195 443.7,197.5 453.1,206.9 453.1,210.4 461.9,219.2 478.1,219.2 479.2,218.1 479.2,182.2 cw(c476.25,182.15) 476.3,179.2
GND_EXT on Top Layer "GND_EXT_L01_P017" (solid, pour order 17): 458.9,279.2 458.9,256 479.2,256 479.2,276.66 ccw(c476.66,276.66) 476.66,279.2 470.3,279.2
AGND on Top Layer "AGND_L01_P016" (solid, remove dead copper, pour order 16): 479.2,256 458.9,256 454,251.1 454,239.6 456.3,237.3 472.2,237.3 473.1,238.2 478,238.2 479.2,239.4
AGND on Top Layer "AGND_L01_P008" (solid, pour order 8): 468.2,239.7 468.2,218.9 473.7,218.9 471.727,220.873 471.7,239.7

## Keep-outs
Keep-Out Layer:
  the board outline again, w0.2

## Other copper
Top Layer:
  pour cut-out: 399.2,182.2 ccw(c402.2,182.2) 402.2,179.2 ccw(c402.2,182.2) 405.2,182.2 ccw(c402.2,182.2) 402.2,185.2 ccw(c402.2,182.2)
  pour cut-out: 473.2,182.2 ccw(c476.2,182.2) 476.2,179.2 ccw(c476.2,182.2) 479.2,182.2 ccw(c476.2,182.2) 476.2,185.2 ccw(c476.2,182.2)
  pour cut-out: 473.2,276.2 ccw(c476.2,276.2) 476.2,273.2 ccw(c476.2,276.2) 479.2,276.2 ccw(c476.2,276.2) 476.2,279.2 ccw(c476.2,276.2)
  pour cut-out: 399.2,276.2 ccw(c402.2,276.2) 402.2,273.2 ccw(c402.2,276.2) 405.2,276.2 ccw(c402.2,276.2) 402.2,279.2 ccw(c402.2,276.2)
  region net GND: 466.275,236.9 463.5,236.9 ccw(c463.5,236.475) 463.075,236.475 463.075,235.325 ccw(c463.5,235.325) 463.5,234.9 466.275,234.9
  region net 4V: 466.275,222.5 463.5,222.5 ccw(c463.5,222.075) 463.075,222.075 463.075,220.925 ccw(c463.5,220.925) 463.5,220.5 466.275,220.5
  region net 8V: 465.125,224.9 462.35,224.9 ccw(c462.35,224.475) 461.925,224.475 461.925,223.325 ccw(c462.35,223.325) 462.35,222.9 465.125,222.9
Layer 1:
  pour cut-out: 399.2,182.2 ccw(c402.2,182.2) 402.2,179.2 ccw(c402.2,182.2) 405.2,182.2 ccw(c402.2,182.2) 402.2,185.2 ccw(c402.2,182.2)
  pour cut-out: 473.2,182.2 ccw(c476.2,182.2) 476.2,179.2 ccw(c476.2,182.2) 479.2,182.2 ccw(c476.2,182.2) 476.2,185.2 ccw(c476.2,182.2)
  pour cut-out: 473.2,276.2 ccw(c476.2,276.2) 476.2,273.2 ccw(c476.2,276.2) 479.2,276.2 ccw(c476.2,276.2) 476.2,279.2 ccw(c476.2,276.2)
  pour cut-out: 399.2,276.2 ccw(c402.2,276.2) 402.2,273.2 ccw(c402.2,276.2) 405.2,276.2 ccw(c402.2,276.2) 402.2,279.2 ccw(c402.2,276.2)
Layer 2:
  pour cut-out: 399.2,182.2 ccw(c402.2,182.2) 402.2,179.2 ccw(c402.2,182.2) 405.2,182.2 ccw(c402.2,182.2) 402.2,185.2 ccw(c402.2,182.2)
  pour cut-out: 473.2,182.2 ccw(c476.2,182.2) 476.2,179.2 ccw(c476.2,182.2) 479.2,182.2 ccw(c476.2,182.2) 476.2,185.2 ccw(c476.2,182.2)
  pour cut-out: 473.2,276.2 ccw(c476.2,276.2) 476.2,273.2 ccw(c476.2,276.2) 479.2,276.2 ccw(c476.2,276.2) 476.2,279.2 ccw(c476.2,276.2)
  pour cut-out: 399.2,276.2 ccw(c402.2,276.2) 402.2,273.2 ccw(c402.2,276.2) 405.2,276.2 ccw(c402.2,276.2) 402.2,279.2 ccw(c402.2,276.2)
  pour cut-out: 458.9,263.65 458.9,256.5 470.075,256.5 470.075,263.65
Bottom Layer:
  region net 4V: 463.475,222.5 ccw(c463.475,222.025) 463,222.025 463,221 ccw(c463.5,221) 463.5,220.5 464.225,220.5 464.225,222.5
  pour cut-out: 473.2,182.2 ccw(c476.2,182.2) 476.2,179.2 ccw(c476.2,182.2) 479.2,182.2 ccw(c476.2,182.2) 476.2,185.2 ccw(c476.2,182.2)
  pour cut-out: 399.2,182.2 ccw(c402.2,182.2) 402.2,179.2 ccw(c402.2,182.2) 405.2,182.2 ccw(c402.2,182.2) 402.2,185.2 ccw(c402.2,182.2)
  pour cut-out: 473.2,276.2 ccw(c476.2,276.2) 476.2,273.2 ccw(c476.2,276.2) 479.2,276.2 ccw(c476.2,276.2) 476.2,279.2 ccw(c476.2,276.2)
  pour cut-out: 399.2,276.2 ccw(c402.2,276.2) 402.2,273.2 ccw(c402.2,276.2) 405.2,276.2 ccw(c402.2,276.2) 402.2,279.2 ccw(c402.2,276.2)
  region net 8V: 462.325,224.9 ccw(c462.325,224.425) 461.85,224.425 461.85,223.4 ccw(c462.35,223.4) 462.35,222.9 463.475,222.9 ccw(c463.475,223.325) 463.9,223.325 463.9,224.5 ccw(c463.488,224.488) 463.475,224.9
  pour cut-out: 458.9,264.175 458.9,256.5 470.075,256.5 470.075,264.175

## Silkscreen, mask and mechanical layers (free items; w line width, h text height)
Top Overlay:
  drawing of 23 lines, arcs and shapes, not listed
  text "GND" at 461.65,275.5 h1 r90
  text "3v3" at 464.19,275.5 h1 r90
  text "TX" at 466.73,275.5 h1 r90
  text "RX" at 469.27,275.5 h1 r90
  text "Ser.№" at 405.8,272.51 h4
  text "-" at 445.7,261.1 h1
  text "C" at 447.7,261.1 h1
  text "+" at 449.7,261.1 h1
  text "R" at 447.7,259.1 h1
  text "D" at 449.7,259.1 h1
  text "TX" at 408.95,243.402 h1.5 r90
  text "RX" at 411.45,243.402 h1.5 r90
  text "GND" at 413.95,243.402 h1.5 r90
  text "IF2" at 459.851,237.3 h1.5
  text "GND" at 459.775,234.9 h1.5
  text "MOSI" at 458.602,232.5 h1.5
  text "SCK" at 459.601,230.1 h1.5
  text "MCO" at 459.601,227.7 h1.5
  text "CS" at 460.351,225.3 h1.5
  text "8V" at 460.351,222.9 h1.5
  text "4V" at 460.351,220.5 h1.5
  text "IF1" at 460.351,218.1 h1.5
  text "START / STOP" at 406,199.451 h3 r90
  text "USB" at 400.7,195.2 h1.5
  text "CARD" at 400.7,191.2 h1.5
  text "АЕСН.466369.100" at 449.15,180.475 h4

## Text inside footprints (layer, text, board x,y; h text height)
C29: Top Overlay "+" at 458.7,192.4 h1
C68: Top Overlay "+" at 406.9,233.1 h1 r180